# KiCad board data-center-dram-tester.kicad_pcb (continued)
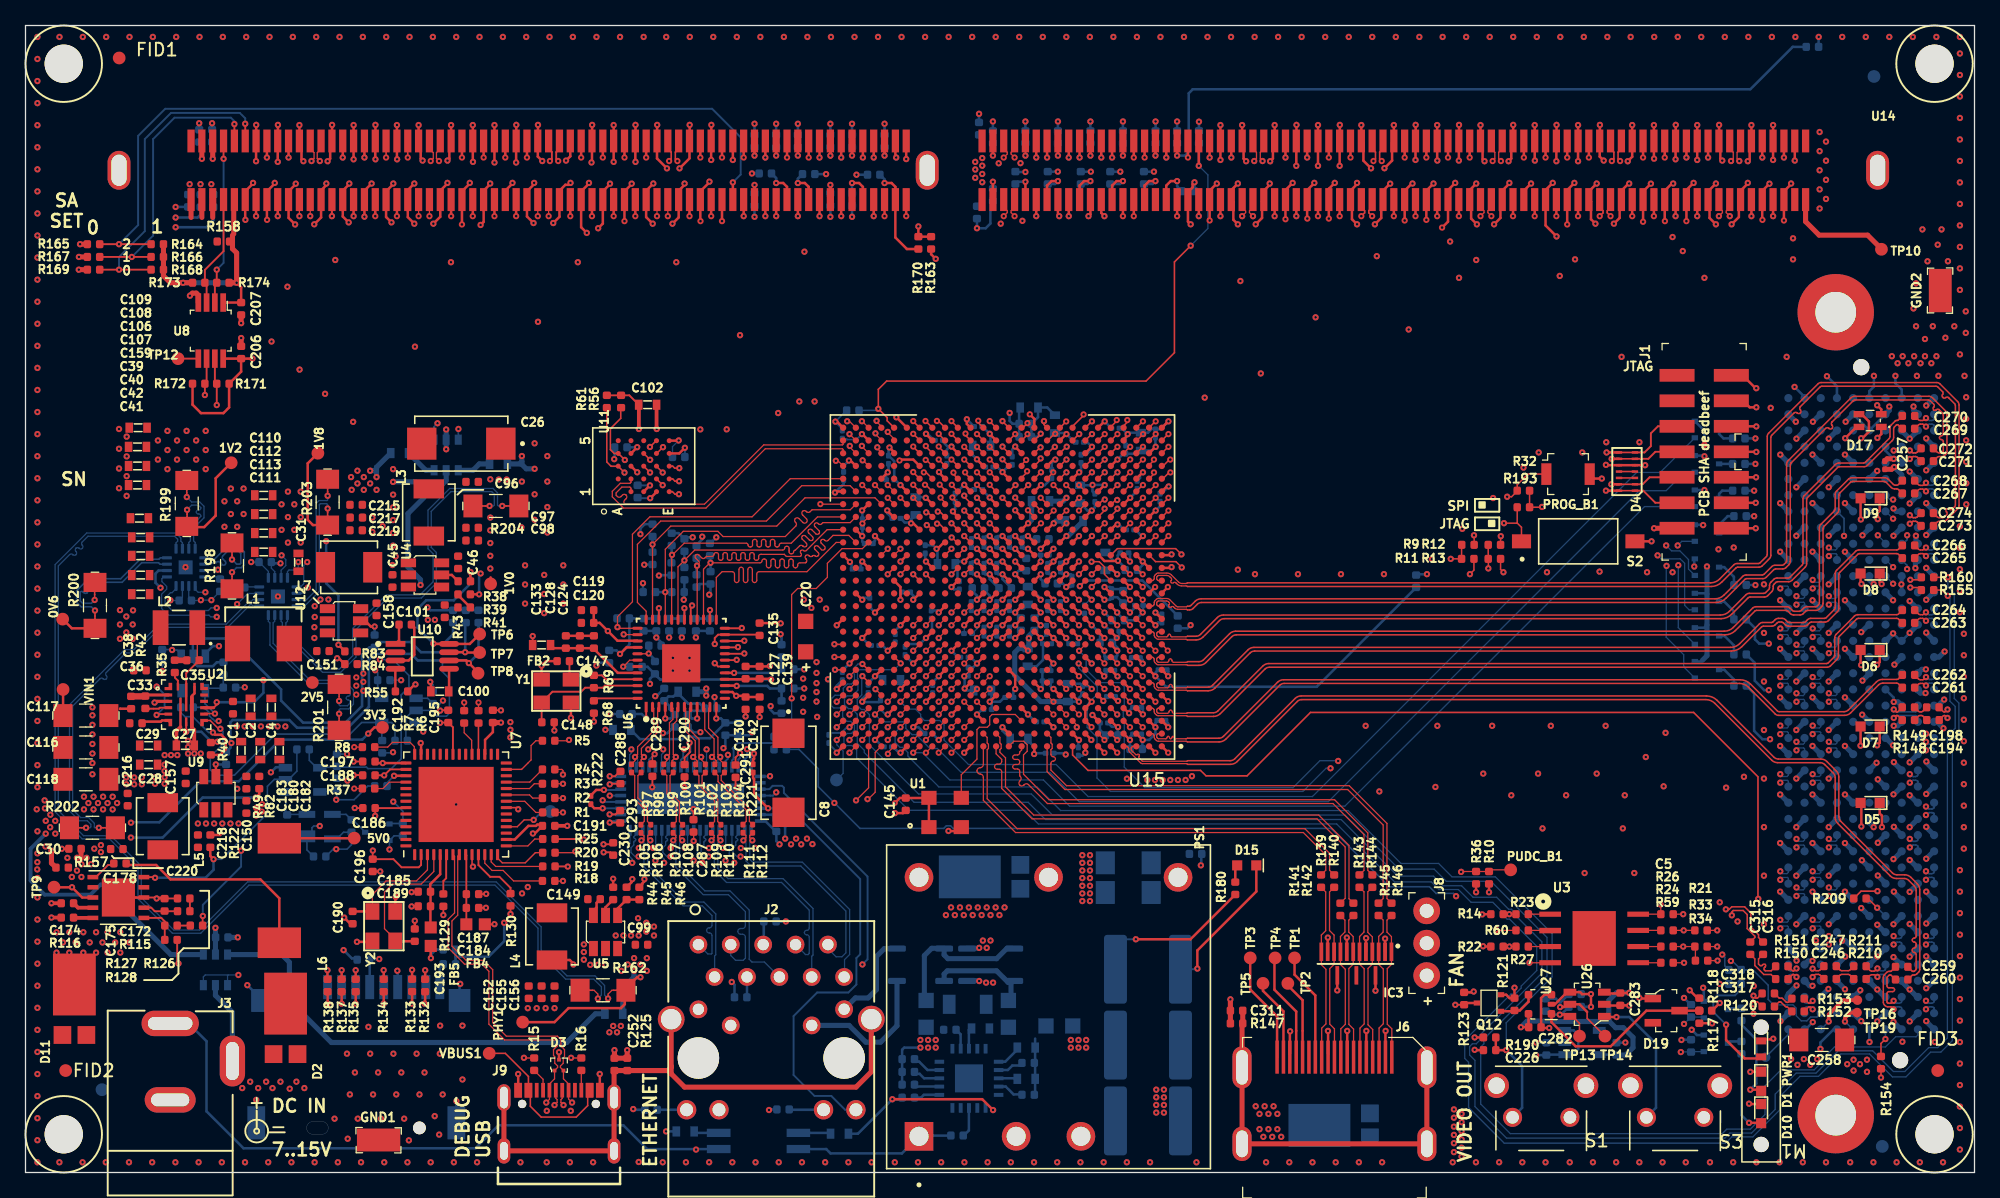
[diagram p0: board, top side]
## Placement (name value [footprint] x y rotation side) (continued)
L5  SRP0420-1R5K  [SRP4020]  10.77 27.17 270 top
L6  -  [WE_7447798720]  19.91 22.13 90 top
L7  SRP0420-1R5K  [SRP4020]  25.39 47.49 180 top
M1  1296.2013  [Mentor_1296.2013]  136.15 7.16 180 top
MP1  PCB_Mount_Hole_3_NPTH  [mounting-hole-3mm-NPTH]  3 3 0 top
MP2  PCB_Mount_Hole_3_NPTH  [mounting-hole-3mm-NPTH]  149.75 3 0 top
MP3  PCB_Mount_Hole_3_NPTH  [mounting-hole-3mm-NPTH]  149.75 87 0 top
MP4  PCB_Mount_Hole_3_NPTH  [mounting-hole-3mm-NPTH]  3 87 0 top
N1  oshw_logo  [OSHW-Logo_5.7x6mm_Mask]  130.85 31.2 0 top
N2  antmicro_logo  [antmicro-logo_scaled_20mm_mask]  115.05 32.35 0 top
NT1  NetTie_2  [NetTie-2_SMD_Pad0.127mm]  16.2 46.65 270 top
NT2  NetTie_2  [NetTie-2_SMD_Pad0.127mm]  12.67 51.55 270 top
NT3  NetTie_2  [NetTie-2_SMD_Pad0.127mm]  5.45 43.55 270 top
NT4  NetTie_2  [NetTie-2_SMD_Pad0.127mm]  12.65 53.45 90 top
NT5  NetTie_2  [NetTie-2_SMD_Pad0.127mm]  16.2 48.55 90 top
NT6  NetTie_2  [NetTie-2_SMD_Pad0.127mm]  5.42 45.47 90 top
NT7  NetTie_2  [NetTie-2_SMD_Pad0.127mm]  24.6 35.55 270 top
NT8  NetTie_2  [NetTie-2_SMD_Pad0.127mm]  6.2 27.05 0 top
NT9  NetTie_2  [NetTie-2_SMD_Pad0.127mm]  23.7 51.65 270 top
NT10  NetTie_2  [NetTie-2_SMD_Pad0.127mm]  35.95 52.3 180 top
NT11  NetTie_2  [NetTie-2_SMD_Pad0.127mm]  24.6 37.45 90 top
NT12  NetTie_2  [NetTie-2_SMD_Pad0.127mm]  4.3 27.05 180 top
NT13  NetTie_2  [NetTie-2_SMD_Pad0.127mm]  23.7 53.55 90 top
NT14  NetTie_2  [NetTie-2_SMD_Pad0.127mm]  37.85 52.3 0 top
NT15  NetTie_2  [NetTie-2_SMD_Pad0.127mm]  44.35 14.3 180 top
NT16  NetTie_2  [NetTie-2_SMD_Pad0.127mm]  46.25 14.3 0 top
PHY1  TP_SMD1MM  [Testpoint_smd_1mm]  39.05 11.8 90 top
PROG_B1  B3U-1000P  [Switch_Tactile_SMD_B3U-1000P]  121 54.8 0 top
PS1  PDQE30-Q48-S12-D  [PDQE30-Q48]  80.25 13 90 top
PUDC_B1  TP_SMD1MM  [Testpoint_smd_1mm]  116.5 23.8 180 top
PWR1  KP-1608CGCK  [LED_0603]  136.15 9.7 270 top
Q1  BSS138APW  [SC70-3]  131.9 52.9 0 bottom
Q2  BSS138APW  [SC70-3]  131.9 39.45 0 bottom
Q3  BSS138APW  [SC70-3]  131.9 44.8 0 bottom
Q4  BSS138APW  [SC70-3]  131.9 42.1 0 bottom
Q5  BSS138APW  [SC70-3]  131.9 47.5 0 bottom
Q6  BSS138APW  [SC70-3]  131.9 50.17 0 bottom
Q7  BSS138APW  [SC70-3]  132.6 12.78 0 bottom
Q8  BSS138APW  [SC70-3]  132.6 10.14 0 bottom
Q9  BSS138APW  [SC70-3]  131.9 55.6 0 bottom
Q10  BSS138APW  [SC70-3]  131.9 58.3 0 bottom
Q11  BSS138APW  [SC70-3]  27.6 26.7 180 bottom
Q12  BSS138APW  [SC70-3]  114.8 13.3 180 top
R1  R_22R_0402  [0402-res]  41.05 28.25 0 top
R2  R_22R_0402  [0402-res]  41.04 29.38 0 top
R3  R_22R_0402  [0402-res]  41.04 30.5 0 top
R4  R_22R_0402  [0402-res]  41.04 31.63 0 top
R5  R_22R_0402  [0402-res]  41.04 33.88 0 top
R6  R_22R_0402  [0402-res]  35.54 35.75 90 top
R7  R_22R_0402  [0402-res]  34.41 35.75 90 top
R8  R_22R_0402  [0402-res]  26.91 33.38 180 top
R9  R_0R_0402  [0402-res]  113.15 49.25 0 top
R10  R_100R_0402  [0402-res]  114.8 23.13 90 top
R11  R_0R_0402  [0402-res]  113.13 48.15 0 top
R12  R_0R_0402  [0402-res]  115.22 49.25 0 top
R13  R_0R_0402  [0402-res]  115.22 48.15 0 top
R14  R_2k2_0402  [0402-res]  115.43 20.27 180 top
R15  R_5k11_0402  [0402-res]  39.9 8.5 270 top
R16  R_5k11_0402  [0402-res]  43.6 8.5 90 top
R17  R_330R_250mW_0603  [0603-res]  29.35 56.45 180 bottom
R18  R_22R_0402  [0402-res]  41.04 22.88 0 top
R19  R_22R_0402  [0402-res]  41.06 24.02 0 top
R20  R_22R_0402  [0402-res]  41.06 25.09 0 top
R21  R_4k7_0402  [0402-res]  131.43 19 180 top
R22  R_4k7_0402  [0402-res]  115.43 17.73 0 top
R23  R_0R_0402  [0402-res]  117.4 20.27 180 top
R24  R_0R_0402  [0402-res]  128.77 17.73 0 top
R25  R_22R_0402  [0402-res]  41.06 26.17 0 top
R26  R_0R_0402  [0402-res]  128.77 19 0 top
R27  R_0R_0402  [0402-res]  117.4 17.73 180 top
R28  R_4k7_0402  [0402-res]  130.65 9.94 270 bottom
R29  R_330R_250mW_0603  [0603-res]  37.1 55.6 0 bottom
R30  R_330R_0402  [0402-res]  134.6 12.4 90 bottom
R31  R_330R_0402  [0402-res]  134.6 9.8 90 bottom
R32  R_4k7_0402  [0402-res]  117.5 53.5 180 top
R33  R_100R_0402  [0402-res]  131.43 17.73 180 top
R34  R_100R_0402  [0402-res]  131.48 16.62 0 top
R35  R_5R1_0402  [0402-res]  11.71 39.71 90 top
R36  R_100R_0402  [0402-res]  113.79 23.13 270 top
R37  R_22R_0402  [0402-res]  26.91 30.13 180 top
R38  R_0R_0402  [0402-res]  34.42 46.39 180 top
R39  R_1k5_0402  [0402-res]  34.41 45.36 180 top
R40  R_100k_0402  [0402-res]  14.54 33.25 270 top
R41  R_1k_0402  [0402-res]  34.41 44.34 180 top
R42  R_0R_0402  [0402-res]  9.4 36.9 90 top
R43  R_10k_0402  [0402-res]  32.89 44.04 270 top
R44  R_0R_0402  [0402-res]  46.1 21.9 270 top
R45  R_4k99_0402  [0402-res]  47.15 21.9 270 top
R46  R_10k_0402  [0402-res]  48.15 21.9 90 top
R47  R_0R_0402  [0402-res]  15.74 32.5 270 bottom
R48  R_0R_0402  [0402-res]  27.39 41.69 90 bottom
R49  R_31k6_0402  [0402-res]  18.34 30.6 90 top
R50  R_330R_0402  [0402-res]  134.5 38.2 180 bottom
R51  R_330R_0402  [0402-res]  134.5 43.4 180 bottom
R52  R_330R_0402  [0402-res]  134.5 40.65 180 bottom
R53  R_330R_0402  [0402-res]  134.5 46.1 180 bottom
R54  R_330R_0402  [0402-res]  134.5 51.5 180 bottom
R55  R_0R_0402  [0402-res]  29.5 37.75 0 top
R56  R_10k_0402  [0402-res]  46.72 60.5 270 top
R57  R_330R_0402  [0402-res]  130.65 12.69 270 bottom
R58  R_0R_0402  [0402-res]  90.39 43.19 90 bottom
R59  R_0R_0402  [0402-res]  128.77 16.46 0 top
R60  R_0R_0402  [0402-res]  117.4 19 180 top
R61  R_10k_0402  [0402-res]  45.6 60.5 270 top
R62  R_220R_0402  [0402-res]  59.42 4.95 180 bottom
R63  R_80R6_0603  [0603-res]  82.26 51.11 180 bottom
R64  R_80R6_0603  [0603-res]  79.62 52.68 0 bottom
R65  R_1k_0603  [0603-res]  80.75 58.72 90 bottom
R66  R_1k_0603  [0603-res]  78.72 60.03 180 bottom
R67  R_220R_0402  [0402-res]  49.07 4.92 180 bottom
R68  R_12k1_0402  [0402-res]  44.59 36.53 90 top
R69  R_1M8_0402  [0402-res]  44.59 38.53 270 top
R70  R_10k_0402  [0402-res]  50.69 49.68 90 bottom
R71  R_10k_0402  [0402-res]  51.69 49.23 90 bottom
R72  R_10k_0402  [0402-res]  52.64 48.68 90 bottom
R73  R_10k_0402  [0402-res]  53.69 48.88 90 bottom
R74  R_10k_0402  [0402-res]  48.94 45.54 180 bottom
R75  R_10k_0402  [0402-res]  49.19 50.39 90 bottom
R76  R_10k_0402  [0402-res]  49.38 39.61 270 bottom
R77  R_2k2_0402  [0402-res]  50.67 47.35 270 bottom
R78  R_1k_0402  [0402-res]  46.89 43.48 0 bottom
R79  R_10k_0402  [0402-res]  47.89 39.68 0 bottom
R80  R_10k_0402  [0402-res]  59.79 37.98 0 bottom
R81  R_10k_0402  [0402-res]  59.79 39.48 0 bottom
R82  R_10k_0402  [0402-res]  17.33 30.59 270 top
R83  R_12k4_0402  [0402-res]  25.54 40.89 0 top
R84  R_10k_0402  [0402-res]  25.54 39.89 180 top
R85  R_63R4_0603  [0603-res]  74.91 11.3 180 bottom
R86  R_10k_0402  [0402-res]  33.54 43.63 270 bottom
R87  R_10k_0402  [0402-res]  34.54 43.63 270 bottom
R88  R_10k_0402  [0402-res]  35.54 43.63 270 bottom
R89  R_2k2_0402  [0402-res]  51.69 46.99 270 bottom
R90  R_2k2_0402  [0402-res]  52.64 46.42 270 bottom
R91  R_2k2_0402  [0402-res]  53.74 46.66 270 bottom
R92  R_2k2_0402  [0402-res]  51.19 45.54 0 bottom
R93  R_2k2_0402  [0402-res]  49.19 48.19 270 bottom
R94  R_2k2_0402  [0402-res]  49.38 41.34 0 bottom
R95  R_2k2_0402  [0402-res]  59.31 36.52 270 bottom
R96  R_2k2_0402  [0402-res]  59.31 40.93 90 bottom
R97  R_0R_0201  [0201-res]  47.54 31.71 270 top
R98  R_0R_0201  [0201-res]  48.29 31.71 90 top
R99  R_0R_0201  [0201-res]  50.06 31.71 270 top
R100  R_0R_0201  [0201-res]  50.81 31.71 90 top
R101  R_0R_0201  [0201-res]  52.57 31.7 270 top
R102  R_0R_0201  [0201-res]  53.32 31.7 90 top
R103  R_0R_0201  [0201-res]  54.07 31.71 270 top
R104  R_0R_0201  [0201-res]  54.82 31.71 90 top
R105  R_0R_0201  [0201-res]  48.28 26.97 270 top
R106  R_0R_0201  [0201-res]  49.05 26.97 90 top
R107  R_0R_0201  [0201-res]  50.8 26.97 270 top
R108  R_0R_0201  [0201-res]  51.55 26.97 90 top
R109  R_0R_0201  [0201-res]  53.8 26.97 270 top
R110  R_0R_0201  [0201-res]  54.55 26.97 90 top
R111  R_0R_0201  [0201-res]  56.28 26.98 270 top
R112  R_0R_0201  [0201-res]  57.04 26.98 90 top
R113  R_330R_250mW_0603  [0603-res]  46.15 12.45 0 bottom
R114  R_330R_250mW_0603  [0603-res]  7.3 21.9 90 bottom
R115  R_16k9_0402  [0402-res]  12.41 20.5 0 top
R116  R_243k_0402  [0402-res]  3.29 20 0 top
R117  R_47k_0402  [0402-res]  131.3 12.2 90 top
R118  R_47k_0402  [0402-res]  131.3 13.2 270 top
R119  R_330R_0402  [0402-res]  134.1 14.8 180 bottom
R120  R_47k_0402  [0402-res]  131.78 12.7 180 top
R121  R_100k_0402  [0402-res]  116.8 13.2 90 top
R122  R_100k_0402  [0402-res]  14.5 26 270 top
R123  R_10k_0402  [0402-res]  112.85 13.65 90 top
R124  R_100k_0402  [0402-res]  29.6 26.9 90 bottom
R125  R_330R_0402  [0402-res]  47.2 8.48 270 top
R126  R_49R9_0402  [0402-res]  13.41 19.38 180 top
R127  R_53k6_0402  [0402-res]  11.41 19.38 180 top
R128  R_10k2_0402  [0402-res]  11.41 18.25 0 top
R129  R_12k_0402  [0402-res]  32.78 21.37 90 top
R130  R_10k_0402  [0402-res]  38.05 21.4 90 top
R131  R_20k_0402  [0402-res]  33.25 17.49 0 bottom
R132  R_20k_0402  [0402-res]  31.35 14.67 90 top
R133  R_20k_0402  [0402-res]  30.32 14.69 90 top
R134  R_20k_0402  [0402-res]  28.1 14.67 90 top
R135  R_20k_0402  [0402-res]  25.9 14.67 90 top
R136  R_220R_0402  [0402-res]  33.25 16.35 180 bottom
R137  R_20k_0402  [0402-res]  24.8 14.67 90 top
R138  R_20k_0402  [0402-res]  23.7 14.67 90 top
R139  R_0R_0402  [0402-res]  101.63 22.86 270 top
R140  R_0R_0402  [0402-res]  102.66 22.86 270 top
R141  R_0R_0402  [0402-res]  103.14 20.65 270 top
R142  R_0R_0402  [0402-res]  104.16 20.65 270 top
R143  R_0R_0402  [0402-res]  104.64 22.86 270 top
R144  R_0R_0402  [0402-res]  105.65 22.86 270 top
R145  R_0R_0402  [0402-res]  106.14 20.65 270 top
R146  R_0R_0402  [0402-res]  107.16 20.65 270 top
R147  R_330R_0402  [0402-res]  95 11.7 0 top
R148  R_33R_0402  [0402-res]  147.7 35.5 0 top
R149  R_33R_0402  [0402-res]  147.7 36.5 0 top
R150  R_33R_0402  [0402-res]  137.77 15.18 180 top
R151  R_33R_0402  [0402-res]  137.77 16.18 180 top
R152  R_33R_0402  [0402-res]  139.04 12.64 180 top
R153  R_33R_0402  [0402-res]  139.04 13.64 180 top
R154  R_10k_0402  [0402-res]  145.55 8.62 270 top
R155  R_4k7_0402  [0402-res]  149.2 45.7 0 top
R156  R_1k3_0603  [0603-res]  78.5 7.35 180 bottom
R157  R_0R_0402  [0402-res]  2.88 23.92 180 top
R158  R_0R_0402  [0402-res]  15.53 73.05 0 top
R159  R_49k9_0402  [0402-res]  78.65 8.6 180 bottom
R160  R_4k7_0402  [0402-res]  149.2 46.7 0 top
R161  R_0R_0402  [0402-res]  78.65 6.1 180 bottom
R162  R_0R01_1206  [1206-res]  45.3 14.3 0 top
R163  R_10k_0402  [0402-res]  71.04 72.94 90 top
R164  R_0R_0402  [0402-res]  10.34 72.84 180 top
R165  R_0R_0402  [0402-res]  5.34 72.84 180 top
R166  R_0R_0402  [0402-res]  10.34 71.84 180 top
R167  R_0R_0402  [0402-res]  5.34 71.84 180 top
R168  R_0R_0402  [0402-res]  10.34 70.84 180 top
R169  R_0R_0402  [0402-res]  5.34 70.84 180 top
R170  R_4k7_0402  [0402-res]  70.04 72.94 90 top
R171  R_4k7_0402  [0402-res]  15.49 61.89 180 top
R172  R_4k7_0402  [0402-res]  13.59 61.89 0 top
R173  R_4k7_0402  [0402-res]  13.59 69.81 0 top
R174  R_4k7_0402  [0402-res]  15.49 69.81 180 top
R175  R_24k9_0402  [0402-res]  72.51 11.2 180 bottom
R176  R_63R4_0603  [0603-res]  78.5 9.8 180 bottom
R177  R_10k_0402  [0402-res]  69.25 7.9 180 bottom
R178  R_0R_0402  [0402-res]  73.07 2.9 180 bottom
R179  R_0R_0402  [0402-res]  69.25 5.88 0 bottom
R180  R_32k4_0402  [0402-res]  94.9 22.3 270 top
R181  R_10k_0402  [0402-res]  69.25 6.9 180 bottom
R182  R_10k_0402  [0402-res]  69.25 8.89 180 bottom
R183  R_1k_0603  [0603-res]  63.85 3.05 180 bottom
R184  R_1k_0603  [0603-res]  51.75 3.22 180 bottom
R185  R_0R_0402  [0402-res]  92.05 81.25 270 bottom
R186  R_100k_0402  [0402-res]  64.9 59.8 180 bottom
R187  R_330R_0402  [0402-res]  134.4 53.5 180 bottom
R188  R_330R_0402  [0402-res]  134.4 55.6 180 bottom
R189  R_330R_0402  [0402-res]  134.4 57.6 180 bottom
R190  R_4k7_0402  [0402-res]  114.85 10.6 0 top
R191  R_0R_0402  [0402-res]  21.78 33.2 0 bottom
R192  R_100k_0402  [0402-res]  25.57 27.19 90 bottom
R193  R_10k_0402  [0402-res]  117.5 52.2 0 top
R194  R_10k_0402  [0402-res]  15.26 46.08 90 bottom
R195  R_10k_0402  [0402-res]  16.72 45.9 0 bottom
R196  R_0R_0402  [0402-res]  29.47 33.88 180 bottom
R197  R_0R_0402  [0402-res]  15.53 39.55 270 bottom
R198  R_0R01_1206  [1206-res]  16.2 47.6 90 top
R199  R_0R005_1206  [1206-res]  12.65 52.5 90 top
R200  R_0R01_1206  [1206-res]  5.45 44.5 90 top
R201  R_0R01_1206  [1206-res]  24.6 36.5 90 top
R202  R_0R01_1206  [1206-res]  5.25 27.05 180 top
R203  R_0R01_1206  [1206-res]  23.7 52.6 90 top
R204  R_0R01_1206  [1206-res]  36.9 52.3 0 top
R205  R_0R_0402  [0402-res]  59.2 33.2 180 bottom
R206  R_0R_0402  [0402-res]  59.2 34.2 180 bottom
R207  R_100R_0402  [0402-res]  85.72 43.33 0 bottom
R208  R_10k_0402  [0402-res]  134.1 15.9 180 bottom
R209  R_10k_0402  [0402-res]  143.9 21.5 180 top
R210  R_33R_0402  [0402-res]  143.9 15.19 180 top
R211  R_33R_0402  [0402-res]  143.9 16.19 180 top
R212  R_100k_0402  [0402-res]  20.53 27.58 90 bottom
R213  R_10k_0402  [0402-res]  24.43 32.35 90 bottom
R214  R_100k_0402  [0402-res]  10.72 40.55 90 bottom
R215  R_100k_0402  [0402-res]  31.96 37.28 270 bottom
R216  R_10k_0402  [0402-res]  16 38.05 0 bottom
R217  R_10k_0402  [0402-res]  27.98 33.41 270 bottom
R218  R_10k_0402  [0402-res]  121.55 14 0 bottom
R219  R_0R_0402  [0402-res]  119.25 13.15 270 bottom
R220  R_10k_0402  [0402-res]  121.55 13 0 bottom
R221  R_0R_0201  [0201-res]  57.07 31.71 270 top
R222  R_0R_0201  [0201-res]  44.35 29.22 90 top
S1  1-1825027-1  [TE_1-1825027-1]  118.9 4.33 0 top
S2  DS04-254-1-01BK-SMT  [SW_DS04-254-1-01BK-SMT]  121.8 49.53 0 top
S3  1-1825027-1  [TE_1-1825027-1]  129.4 4.33 0 top
TP1  TP_SMD1MM  [Testpoint_smd_1mm]  99.6 16.84 90 top
TP2  TP_SMD1MM  [Testpoint_smd_1mm]  99.07 14.84 90 top
TP3  TP_SMD1MM  [Testpoint_smd_1mm]  96.12 16.84 90 top
TP4  TP_SMD1MM  [Testpoint_smd_1mm]  98.07 16.84 90 top
TP5  TP_SMD1MM  [Testpoint_smd_1mm]  97.12 14.84 90 top
TP6  TP_SMD1MM  [Testpoint_smd_1mm]  35.62 42.2 0 top
TP7  TP_SMD1MM  [Testpoint_smd_1mm]  35.62 40.75 0 top
TP8  TP_SMD1MM  [Testpoint_smd_1mm]  35.5 39.12 0 top
TP9  TP_SMD1MM  [Testpoint_smd_1mm]  2.29 22.39 90 top
TP10  TP_SMD1MM  [Testpoint_smd_1mm]  145.59 72.39 0 top
TP11  TP_SMD1MM  [Testpoint_smd_1mm]  41.18 28.38 0 bottom
TP12  TP_SMD1MM  [Testpoint_smd_1mm]  11.96 63.81 0 top
TP13  TP_SMD1MM  [Testpoint_smd_1mm#2]  121.9 10.7 180 top
TP14  TP_SMD1MM  [Testpoint_smd_1mm#2]  123.9 10.7 180 top
TP15  TP_SMD_0_75MM  [Testpoint_smd_0_75mm]  136.5 9 180 bottom
TP16  TP_SMD_0_75MM  [Testpoint_smd_0_75mm]  143.7 13.47 0 top
TP19  TP_SMD_0_75MM  [Testpoint_smd_0_75mm]  143.68 12.5 0 top
U1  -  [ASFLMB-100.000MHZ-XY-T]  72.14 28.25 0 top
U2  -  [TPS65295RJET]  12.61 36.72 0 top
U3  S25FL128SAGNFI000  [WSON8x6_WSON6x5_dual]  123.05 18.36 0 top
U4  AP62301WU-7  [TSOT23-6]  31.34 46.89 270 top
U5  AP62301WU-7  [TSOT23-6]  45.5 18.87 0 top
U6  KSZ9031RNXCA  [QFN-48-Microchip-QFN77-48LD-PL-2]  51.44 39.95 90 top
U7  FT4232H-56Q  [QFN-56-1EP_8x8mm_P0.5mm_EP5.5.9x5.9mm]  33.78 28.88 90 top
U8  PCA9517ADMR2G  [TSSOP-8_W3mm]  14.53 66.06 180 top
U9  AP62301WU-7  [TSOT23-6]  14.94 29.76 0 top
U10  LM3881MME_NOPB  [VSSOP8-Texas_Instruments-DGK0008A]  31.12 40.5 0 top
U11  S27KL0641DABHI023  [FBGA-24]  48.5 55.42 90 top
U12  AP62301WU-7  [TSOT23-6]  24.99 43.29 270 top
U13  TPS2372-3RGWR  [Texas_RGW0020B]  74.01 7.39 270 bottom
U14  -  [2199155-1]  139.64 80.94 180 top
U15  XC7K160T-FFG676  [xc7k160tfbg676]  76.64 45.94 180 top
U16  TS3L500  [Texas_RHU0056A]  52.16 29.33 270 bottom
U17  74LVC2G07GV  [SC-74]  33 56.3 270 bottom
U18  MAX812REUS+T  [SOT-143-4]  23.07 27.14 90 bottom
U19  PAC1954T-E/4MX  [VQFN-16-1EP_3x3mm_P0.5mm_EP1.1x1.1mm]  12.56 47.48 90 bottom
U20  PAC1954T-E/4MX  [VQFN-16-1EP_3x3mm_P0.5mm_EP1.1x1.1mm]  19.8 45.2 270 bottom
U21  SN74AHCT1G125DBVR  [SOT-753]  21.74 30.81 90 bottom
U22  SN74AHCT1G125DBVR  [SOT-753]  29.29 36.26 270 bottom
U23  SN74AHCT1G125DBVR  [SOT-753]  13.16 39.16 0 bottom
U24  74LVC2G07GV  [SC-74]  14.9 15.9 90 bottom
U25  NCP718ASN500T1G  [SOT-23-5]  122.1 10.2 90 bottom
U26  MAX16150AUT+T  [SOT-23-6]  122.5 13.2 90 top
U27  SN74LVC1G240DCKR  [SOT-353]  118.8 13.2 90 top
VBUS1  TP_SMD1MM  [Testpoint_smd_1mm#2]  36.38 9.35 0 top
VIN1  TP_SMD1MM  [Testpoint_smd_1mm]  3 37.9 90 top
Y1  ABM8G-25.000MHZ-18-D2Y-T  [KX-7]  41.69 37.73 180 top
Y2  ABM8G-12.000MHZ-18-D2Y-T  [KX-7]  28.16 19.38 270 top

## Library data of the parts
C1 C33 C38 = -: MPN: GRM155R60J106ME44D; Manufacturer: MURATA; Val: 10u
C2 = -: MPN: 0603YC104KAZ2A; Manufacturer: AVX; Val: 100n
C3 C6 C12 C15 C22-C25 C78 C80 C81 C102 C114 C180 C182 C183 = -: MPN: GRM188R60J476ME15D; Manufacturer: MURATA; Val: 47u
C4 = -: MPN: 0603YD105KAT2A; Manufacturer: WALSIN; Val: 1u
C5 C18 C30 C35 C46 C101 C103-C105 C145 C146 C149 C153 C154 C157 C158 C160-C171 C173 C176-C179 C181 C184-C186 C188 C191 C192 C194 C196-C214 C229 C232-C237 C246 C247 C252 C259-C275 C282-C285 C311 C313-C318 = -: MPN: GRM155R61H104KE14D; Manufacturer: Murata; Val: 100n
C7 C14 C16 C17 C19 C115 C119 C121 C123 C124 C132 C137 C140 C144 C187 C189 C195 C239 C245 C256 = -: MPN: GRM155R61A475MEAAD; Manufacturer: MURATA; Val: 4u7
C8 C26 = -: MPN: T520D337M006ATE045; Manufacturer: KEMET; Val: 330u
C9 C11 C21 C32 C34 C43 C44 C47-C77 C79 C82-C95 C143 C231 C238 C240-C244 C248-C251 C253-C255 C257 C276-C279 C286 C294-C310 = -: MPN: CC0201KRX6S5BB104; Manufacturer: YAGEO; Val: 100n
C10 C98 C156 C219 C220 C281 = -: MPN: C1005X6S1A105K050BC; Manufacturer: TDK; Val: 1u
C13 C36 C37 C120 C122 C125-C127 C130 = -: MPN: C1005X5R1E474M050BB; Manufacturer: TDK; Val: 470n
C20 = -: MPN: 298D107X06R3A2T; Manufacturer: VISHAY; Val: 100u
C27-C29 = -: MPN: C1608X5R1E106M080AC; Manufacturer: TDK; Val: 10u/25V
C31 C39-C42 C159 = -: MPN: GRM188R60J226MEA0D; Manufacturer: MURATA; Val: 22u
C45 C99 C150 C151 = -: MPN: CC0402MRX5R5BB106; Manufacturer: YAGEO; Val: 10u
C96 C97 C152 C155 C215-C218 = -: MPN: 04024W226MAT2A; Manufacturer: AVX; Val: 22u
C100 C106-C113 = -: MPN: 06031C103JAT2A; Manufacturer: AVX; Val: 10n
C116-C118 C227 C228 C258 = -: MPN: C3216X5R1C476M160AB; Manufacturer: TDK; Val: 47u/16V
C128 C221 C312 = -: MPN: MC0402B104K160CT; Manufacturer: MULTICOMP; Val: 100n
C129 C131 C133-C136 C138 C139 C141 C142 C174 = -: MPN: 04025G103ZAT2A; Manufacturer: AVX; Val: 10n
C147 C148 = -: MPN: CC0402JRNPO9BN220; Manufacturer: YAGEO; Val: 22p
C172 = -: MPN: CGA2B3X7S2A472K050BB; Manufacturer: TDK; Val: 4n7
C175 = -: MPN: C0402C470J5GACTU; Manufacturer: KEMET; Val: 47p
C190 C193 = -: MPN: MC0402N180J500CT; Manufacturer: MULTICOMP; Val: 18p
C222 = -: MPN: CL21B104KCFNNNE; Manufacturer: SAMSUNG; Val: 100n/100V
C223-C225 = -: MPN: C5750X7S2A226M280KB; Manufacturer: TDK; Val: 22u/100V
C226 = -: DNP: DNP; MPN: C1005X6S1A105K050BC; Manufacturer: TDK; Val: 1u
C230 = -: DNP: DNP; MPN: GRM155R61A475MEAAD; Manufacturer: MURATA; Val: 4u7
C280 = -: MPN: C0402C105M4PACTU; Manufacturer: Kemet; Val: 1u/16V
C287-C293 = -: DNP: DNP; MPN: GRM155R61H104KE14D; Manufacturer: Murata; Val: 100n
D1 D5-D10 D15 PWR1 = -: Manufacturer: KINGBRIGHT
D2 D11 D16 D18 = -: Manufacturer: Diodes Inc.
D3 = -: MPN: TPD2E009DRTR; Manufacturer: Texas Instruments
D4 = -: DNP: DNP; MPN: TPD6E05U06RVZR; Manufacturer: Texas Instruments
D12 D13 = -: Manufacturer: Bourns
D14 = -: Manufacturer: Nexperia
D17 = -: Description: Standard LEDs - SMD RGY 1616 SMD; Manufacturer: Kingbright
D19 = -: Manufacturer: Micro Commercial Co
FB1-FB5 = -: Manufacturer: Murata Electronics North America
FB9 FB10 = -: Manufacturer: Murata
GND1 GND2 = -: Manufacturer: TE Connectivity AMP Connectors
IC1 = -: Manufacturer: Texas Instrumets
IC2 = -: Description: Broadcom ACPL-217-500E DC Input Transistor Output Optocoupler, Surface Mount, 4-Pin SO; Height: 2.42; Manufacturer_Name: Avago Technologies; Mouser Part Number: 630-ACPL-217-500E; Mouser Price/Stock: https://www.mouser.co.uk/ProductDetail/Broadcom-Avago/ACPL-217-500E?qs=dcm2zoLQumDueNtFOKZqaQ%3D%3D
IC3 U2 U13 U21-U23 U27 = -: Manufacturer: Texas Instruments
J1 = -: DNP: DNP; Manufacturer: Molex
J2 S1 S3 = -: Manufacturer: TE Connectivity
J3 = -: MPN: MJ-179PH; Manufacturer: Multicomp
J5 = -: Manufacturer: Samtec
J6 = -: Manufacturer: Amphenol
J7 = -: Manufacturer: Würth Elektronik
J8 = -: Manufacturer: Wurth Electronics Inc.
J9 = -: Manufacturer: GCT
L1 = -: MPN: IHLP1212AEERR47M11; Manufacturer: Vishay; Field6: *
L2 = -: MPN: IHLP1212AEERR47M11; Manufacturer: Vishay
L3-L5 L7 = -: MPN: SRP0420-R47K; Manufacturer: BOURNS; MaxCur: 6A; Size: 4.40x4.10; Val: 1u5/6A
L6 = -: MPN: 7447798720; Manufacturer: Wurth Elektronik
M1 = -: Manufacturer: MENTOR
PROG_B1 = -: Manufacturer: Omron Electronics Inc-EMC Div
PS1 = -: Manufacturer: CUI; STANDARD: Manufacturer Recommendations
Q1-Q12 = -: MPN: BSS138PW; Manufacturer: ON Semiconductor
R1-R8 R18-R20 R25 R37 = -: MPN: CRCW040222R0FKED; Manufacturer: VISHAY; Val: 22R
R9 R13 R23 R24 R26 R27 R38 R42 R44 R47 R48 R55 R58-R60 R139-R146 R158 R161 R165 R167 R169 R178 R205 = -: MPN: ERJ2GE0R00X; Manufacturer: PANASONIC; Val: 0R
R10 R207 = -: MPN: CR0402-FX-1000GLF; Manufacturer: BOURNS; Val: 100R
R11 R12 R157 R164 R166 R168 R179 R185 R191 R196 R197 R206 R219 = -: DNP: DNP; MPN: ERJ2GE0R00X; Manufacturer: PANASONIC; Val: 0R
R14 R77 R89 R92 = -: MPN: RC0402FR-072K2L; Manufacturer: YAGEO; Val: 2k2
R15 R16 = -: MPN: WR04X5111FTL; Manufacturer: WALSIN; Val: 5k11
R17 R29 R113 R114 = -: MPN: ERJ-UP3F3300V; Manufacturer: Panasonic; Val: 330R_250mW
R21 R22 R28 R32 R190 = -: MPN: ERJ2GEJ472X; Manufacturer: PANASONIC_ELECTRONIC_COMPONENTS; Val: 4k7
R30 R31 R50-R54 R57 R119 R125 R147 R187-R189 = -: MPN: MCMR04X3300FTL; Manufacturer: MULTICOMP; Val: 330R
R33 R34 R36 = -: DNP: DNP; MPN: CR0402-FX-1000GLF; Manufacturer: BOURNS; Val: 100R
R35 = -: MPN: ERJ2GEJ5R1X; Manufacturer: PANASONIC; Val: 5R1
R39 = -: MPN: MP000515; Manufacturer: Multicomp Pro; Val: 1k5
R40 R121 R122 R124 R186 R192 R212 R214 R215 = -: MPN: CRCW0402100KFKEDHP; Manufacturer: VISHAY; Val: 100k
R41 R78 = -: MPN: CR0402-FX-1001GLF; Manufacturer: BOURNS; Val: 1k
R43 R46 R56 R61 R72 R73 R76 R79-R82 R84 R86-R88 R123 R130 R154 R163 R193-R195 R208 R209 R213 R216-R218 R220 = -: MPN: CRCW040210K0FKEDHP; Manufacturer: VISHAY; Val: 10k
R45 = -: MPN: MCMR04X4991FTL; Manufacturer: MULTICOMP; Val: 4k99
R49 = -: MPN: CRCW040231K6FKEDC; Manufacturer: Vishay; Val: 31k6
R62 R67 R136 = -: MPN: ERJ2GEJ221X; Manufacturer: Panasonic; Val: 220R
R63 R64 = -: MPN: CR0603-FX-80R6ELF; Manufacturer: Bourns; Val: 80R6
R65 R66 R183 R184 = -: MPN: CR0603-JW-102ELF; Manufacturer: BOURNS; Val: 1k
R68 = -: MPN: MCWR04X1212FTL; Manufacturer: MULTICOMP; Val: 12k1
R69 = -: MPN: MCMR04X185_JTL; Manufacturer: MULTICOMP; Val: 1M8
R70 R71 R74 R75 R177 R181 R182 = -: DNP: DNP; MPN: CRCW040210K0FKEDHP; Manufacturer: VISHAY; Val: 10k
R83 = -: MPN: ERJ2RKF1242X; Manufacturer: PANASONIC_ELECTRONIC_COMPONENTS; Val: 12k4
R85 R176 = -: MPN: ERJPA3F63R4V; Manufacturer: PANASONIC; Val: 63R4
R90 R91 R93-R96 = -: DNP: DNP; MPN: RC0402FR-072K2L; Manufacturer: YAGEO; Val: 2k2
R97-R112 R221 R222 = -: MPN: CRCW02010000Z0ED; Manufacturer: VISHAY; Val: 0R
R115 = -: MPN: ERA2AEB1692X; Manufacturer: PANASONIC; Val: 16k9
R116 = -: MPN: MCMR04X2433FTL; Manufacturer: MULTICOMP; Val: 243k
R117 R118 = -: DNP: DNP; MPN: MCMR04X4702FTL; Manufacturer: MULTICOMP; Val: 47k
R120 = -: MPN: MCMR04X4702FTL; Manufacturer: MULTICOMP; Val: 47k
R126 = -: MPN: CRCW040249R9FKED; Manufacturer: VISHAY; Val: 49R9
R127 = -: MPN: CPF0402B53K6E1_; Manufacturer: TE_CONNECTIVITY; Val: 53k6
R128 = -: MPN: MCWR04X1022FTL; Manufacturer: MULTICOMP PRO; Val: 10k2
R129 = -: MPN: CRCW040212K0FKEDHP; Manufacturer: VISHAY; Val: 12k
R131-R135 R137 R138 = -: MPN: CRCW040220K0FKED; Manufacturer: VISHAY; Val: 20k
R148-R153 R210 R211 = -: MPN: CRCW040233R0FKED; Manufacturer: Vishay; Val: 33R
R155 R160 R170-R174 = -: MPN: MCS04020C4701FE000; Manufacturer: VISHAY; Val: 4k7
R156 = -: MPN: ERJ3GEYJ132V; Manufacturer: PANASONIC_ELECTRONIC_COMPONENTS; Val: 1k3
R159 = -: MPN: CRCW040249K9FKED; Manufacturer: VISHAY; Val: 49k9
R162 R198 R200-R204 = -: MPN: RL1206FR-7W0R01L; Manufacturer: Yageo; Val: 0R01
R175 = -: MPN: WR04X2492FTL; Manufacturer: WALSIN; Val: 24k9
R180 = -: MPN: ERA-2ARB3242X; Manufacturer: PANASONIC_ELECTRONIC_COMPONENTS; Val: 32k4
R199 = -: MPN: LRF1206-R005JW; Manufacturer: WELWYN; Val: 0R005
S2 = -: Manufacturer: CUI Devices
U1 = -: Manufacturer: Abracon
U3 = -: Manufacturer: Cypress Semiconductor
U4 U5 U9 U12 = -: Manufacturer: Diodes Incorporated
U6 U19 U20 = -: Manufacturer: Microchip
U7 = -: MPN: FT4232H-56Q-REEL; Manufacturer: FTDI
U8 = -: Manufacturer: ON SEMI
U10 = -: MPN: LM3881MME/NOPB; Manufacturer: Texas Instruments
U11 = -: Manufacturer: CYPRESS SEMICONDUCTOR
U16 = -: DNP: DNP; MPN: TS3L500RHUR; Manufacturer: Texas Instruments
U17 U24 = -: MPN: 74LVC2G07GV,125; Manufacturer: Nexperia
U18 U26 = -: License: MIT; Manufacturer: Maxim Integrated
U25 = -: Manufacturer: Onsemi
Y1 = -: Manufacturer: Abracon; VAL: 25MHz
Y2 = -: Manufacturer: Abracon; VAL: 12MHz

## Footprints (pads in the part's own frame, mm; a bottom-side part is the same pattern mirrored in y, then rotated)
5-2337992-8
  round 3.25 hole 3.25 unplated: (0,-8.9) (11.43,-8.9)
  round 1.397 hole 0.889: 1(0,0) 2(1.27,-2.54) 3(2.54,0) 4(3.81,-2.54) 5(5.08,0) 6(6.35,-2.54) 7(7.62,0) 8(8.89,-2.54) 9(10.16,0) 10(11.43,-2.54) 11(0,-5.08) 12(2.54,-6.34) 13(8.89,-6.34) 14(11.43,-5.07)
  round 1.524 hole 1.016: 15(-0.925,-12.96) 16(1.615,-12.96) 17(9.815,-12.96) 18(12.355,-12.96)
  round 2.1 hole 1.6: 19(-2.135,-5.85)
  round 2.108 hole 1.6: 20(13.565,-5.85)
0201-res
  rrect 0.318x0.36 smd: (-0.345,0) (0.345,0)
  rrect 0.46x0.4 smd: 1(-0.32,0) 2(0.32,0)
0402-cap
  rrect 0.59x0.64 smd: 1(-0.485,0) 2(0.485,0)
0402-res
  rrect 0.59x0.64 smd: 1(-0.485,0) 2(0.485,0)
0603
  rect 0.95x0.95 smd: 1(-0.725,0) 2(0.725,0)
0603-cap
  rect 0.6x0.8 smd: 1(-0.7,0) 2(0.7,0)
0603-res
  rect 0.6x0.8 smd: 1(-0.7,0) 2(0.7,0)
0805-cap
  rect 1.2x1.2 smd: 1(-1.05,0) 2(1.05,0)
0805-res
  rect 1.2x1.2 smd: 1(-1.05,0) 2(1.05,0)
1206-cap
  rect 1.5x1.8 smd: 1(-1.8,0) 2(1.8,0)
1206-res
  rect 1.5x1.8 smd: 1(-1.8,0) 2(1.8,0)
2220-cap
  rrect 1.8x5.4 smd: 1(-2.55,0) 2(2.55,0)
2199155-1
  rect 0.57x1.8 smd: 1(0,0) 2(0.85,0) 3(1.7,0) 4(2.55,0) 5(3.4,0) 6(4.25,0) 7(5.1,0) 8(5.95,0) 9(6.8,0) 10(7.65,0) 11(8.5,0) 12(9.35,0) 13(10.2,0) 14(11.05,0) 15(11.9,0) 16(12.75,0) 17(13.6,0) 18(14.45,0) 19(15.3,0) 20(16.15,0) 21(17,0) 22(17.85,0) 23(18.7,0) 24(19.55,0) 25(20.4,0) 26(21.25,0) 27(22.1,0) 28(22.95,0) 29(23.8,0) 30(24.65,0) 31(25.5,0) 32(26.35,0) 33(27.2,0) 34(28.05,0) 35(28.9,0) 36(29.75,0) 37(30.6,0) 38(31.45,0) 39(32.3,0) 40(33.15,0) 41(34,0) 42(34.85,0) 43(35.7,0) 44(36.55,0) 45(37.4,0) 46(38.25,0) 47(39.1,0) 48(39.95,0) 49(40.8,0) 50(41.65,0) 51(42.5,0) 52(43.35,0) 53(44.2,0) 54(45.05,0) 55(45.9,0) 56(46.75,0) 57(47.6,0) 58(48.45,0) 59(49.3,0) 60(50.15,0) 61(51,0) 62(51.85,0) 63(52.7,0) 64(53.55,0) 65(54.4,0) 66(55.25,0) 67(56.1,0) 68(56.95,0) 69(57.8,0) 70(58.65,0) 71(59.5,0) 72(60.35,0) 73(61.2,0) 74(62.05,0) 75(62.9,0) 76(63.75,0) 77(64.6,0) 78(70.55,0) 79(71.4,0) 80(72.25,0) 81(73.1,0) 82(73.95,0) 83(74.8,0) 84(75.65,0) 85(76.5,0) 86(77.35,0) 87(78.2,0) 88(79.05,0) 89(79.9,0) 90(80.75,0) 91(81.6,0) 92(82.45,0) 93(83.3,0) 94(84.15,0) 95(85,0) 96(85.85,0) 97(86.7,0) 98(87.55,0) 99(88.4,0) 100(89.25,0) 101(90.1,0) 102(90.95,0) 103(91.8,0) 104(92.65,0) 105(93.5,0) 106(94.35,0) 107(95.2,0) 108(96.05,0) 109(96.9,0) 110(97.75,0) 111(98.6,0) 112(99.45,0) 113(100.3,0) 114(101.15,0) 115(102,0) 116(102.85,0) 117(103.7,0) 118(104.55,0) 119(105.4,0) 120(106.25,0) 121(107.1,0) 122(107.95,0) 123(108.8,0) 124(109.65,0) 125(110.5,0) 126(111.35,0) 127(112.2,0) 128(113.05,0) 129(113.9,0) 130(114.75,0) 131(115.6,0) 132(116.45,0) 133(117.3,0) 134(118.15,0) 135(119,0) 136(119.85,0) 137(120.7,0) 138(121.55,0) 139(122.4,0) 140(123.25,0) 141(124.1,0) 142(124.95,0) 143(125.8,0) 144(126.65,0) 145(0,4.6) 146(0.85,4.6) 147(1.7,4.6) 148(2.55,4.6) 149(3.4,4.6) 150(4.25,4.6) 151(5.1,4.6) 152(5.95,4.6) 153(6.8,4.6) 154(7.65,4.6) 155(8.5,4.6) 156(9.35,4.6) 157(10.2,4.6) 158(11.05,4.6) 159(11.9,4.6) 160(12.75,4.6) 161(13.6,4.6) 162(14.45,4.6) 163(15.3,4.6) 164(16.15,4.6) 165(17,4.6) 166(17.85,4.6) 167(18.7,4.6) 168(19.55,4.6) 169(20.4,4.6) 170(21.25,4.6) 171(22.1,4.6) 172(22.95,4.6) 173(23.8,4.6) 174(24.65,4.6) 175(25.5,4.6) 176(26.35,4.6) 177(27.2,4.6) 178(28.05,4.6) 179(28.9,4.6) 180(29.75,4.6) 181(30.6,4.6) 182(31.45,4.6) 183(32.3,4.6) 184(33.15,4.6) 185(34,4.6) 186(34.85,4.6) 187(35.7,4.6) 188(36.55,4.6) 189(37.4,4.6) 190(38.25,4.6) 191(39.1,4.6) 192(39.95,4.6) 193(40.8,4.6) 194(41.65,4.6) 195(42.5,4.6) 196(43.35,4.6) 197(44.2,4.6) 198(45.05,4.6) 199(45.9,4.6) 200(46.75,4.6) 201(47.6,4.6) 202(48.45,4.6) 203(49.3,4.6) 204(50.15,4.6) 205(51,4.6) 206(51.85,4.6) 207(52.7,4.6) 208(53.55,4.6) 209(54.4,4.6) 210(55.25,4.6) 211(56.1,4.6) 212(56.95,4.6) 213(57.8,4.6) 214(58.65,4.6) 215(59.5,4.6) 216(60.35,4.6) 217(61.2,4.6) 218(62.05,4.6) 219(62.9,4.6) 220(63.75,4.6) 221(64.6,4.6) 222(70.55,4.6) 223(71.4,4.6) 224(72.25,4.6) 225(73.1,4.6) 226(73.95,4.6) 227(74.8,4.6) 228(75.65,4.6) 229(76.5,4.6) 230(77.35,4.6) 231(78.2,4.6) 232(79.05,4.6) 233(79.9,4.6) 234(80.75,4.6) 235(81.6,4.6) 236(82.45,4.6) 237(83.3,4.6) 238(84.15,4.6) 239(85,4.6) 240(85.85,4.6) 241(86.7,4.6) 242(87.55,4.6) 243(88.4,4.6) 244(89.25,4.6) 245(90.1,4.6) 246(90.95,4.6) 247(91.8,4.6) 248(92.65,4.6) 249(93.5,4.6) 250(94.35,4.6) 251(95.2,4.6) 252(96.05,4.6) 253(96.9,4.6) 254(97.75,4.6) 255(98.6,4.6) 256(99.45,4.6) 257(100.3,4.6) 258(101.15,4.6) 259(102,4.6) 260(102.85,4.6) 261(103.7,4.6) 262(104.55,4.6) 263(105.4,4.6) 264(106.25,4.6) 265(107.1,4.6) 266(107.95,4.6) 267(108.8,4.6) 268(109.65,4.6) 269(110.5,4.6) 270(111.35,4.6) 271(112.2,4.6) 272(113.05,4.6) 273(113.9,4.6) 274(114.75,4.6) 275(115.6,4.6) 276(116.45,4.6) 277(117.3,4.6) 278(118.15,4.6) 279(119,4.6) 280(119.85,4.6) 281(120.7,4.6) 282(121.55,4.6) 283(122.4,4.6) 284(123.25,4.6) 285(124.1,4.6) 286(124.95,4.6) 287(125.8,4.6) 288(126.65,4.6)
  rrect 1.8x3.05 hole 1.2x2.45: M(-5.65,2.3) M(68.9,2.3) M(132.3,2.3)
